# Altium PCB Sensor_ExpandBoard_V1.1.PcbDoc
Units mil, origin at the board's own origin, x right, y up, seen from the top; angles counter-clockwise.
Board outline 2362.2 x 1574.8 mil, 2 copper layers (Top Layer, Bottom Layer); 163 components, 51 nets, 554 pads, 184 vias.
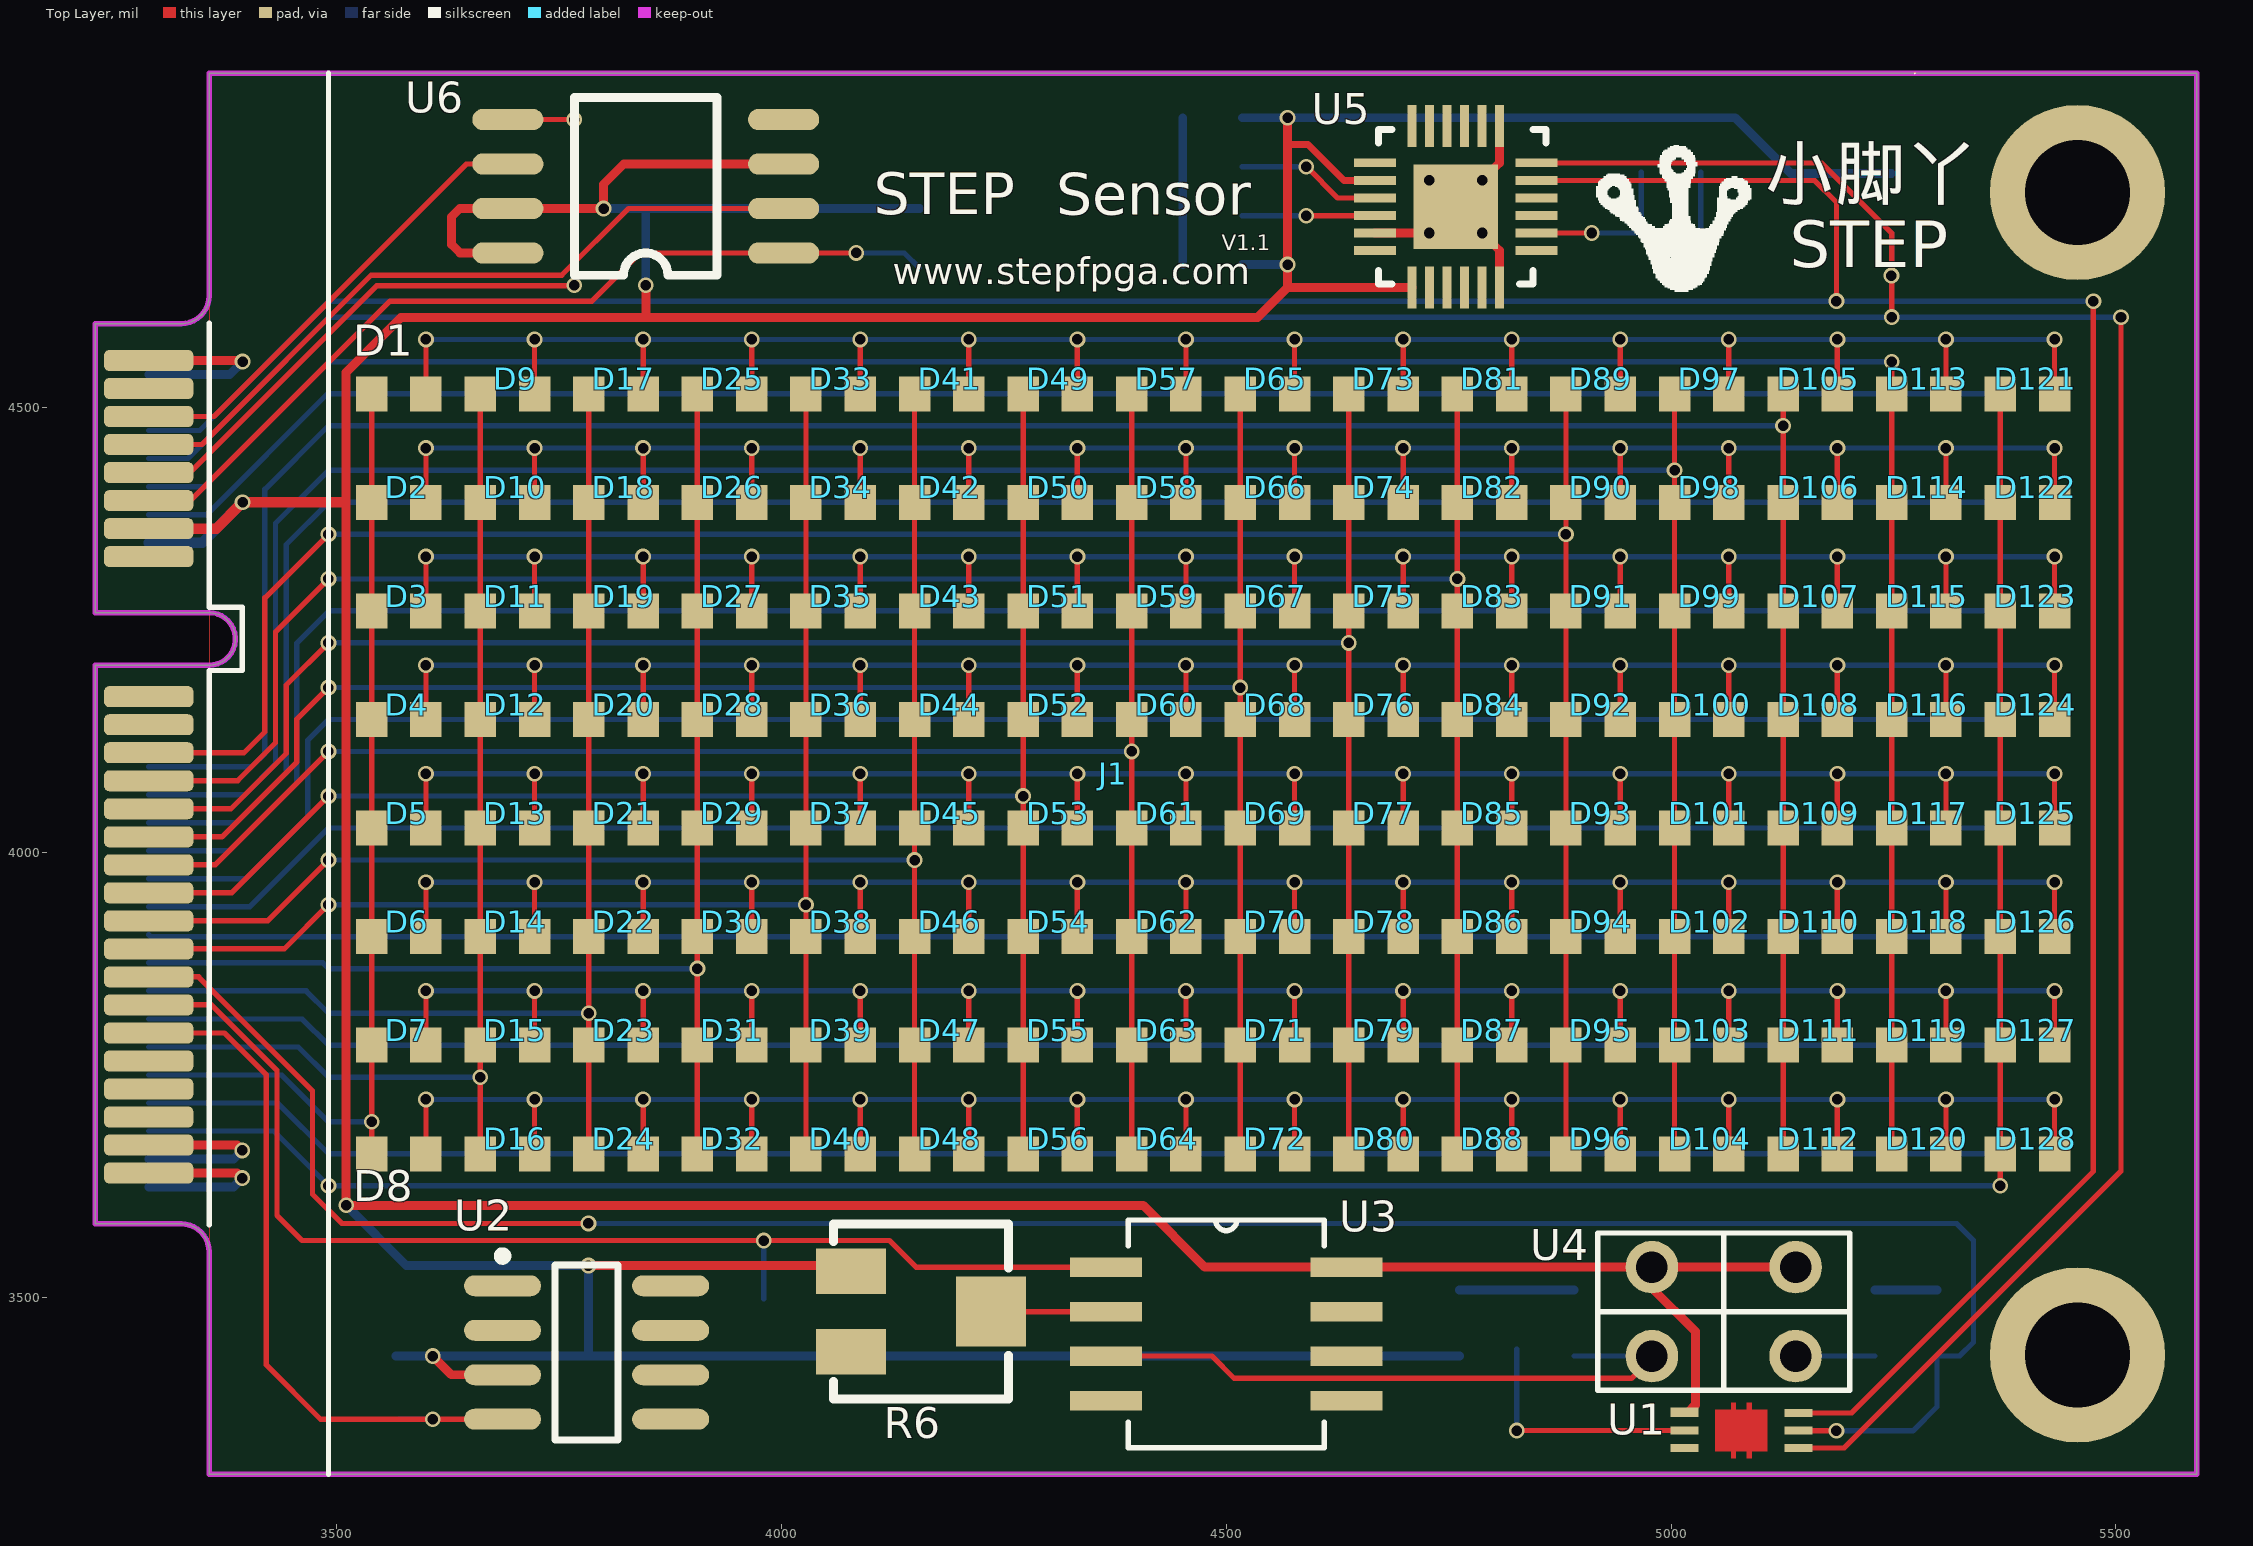
[diagram p0: Top Layer view]
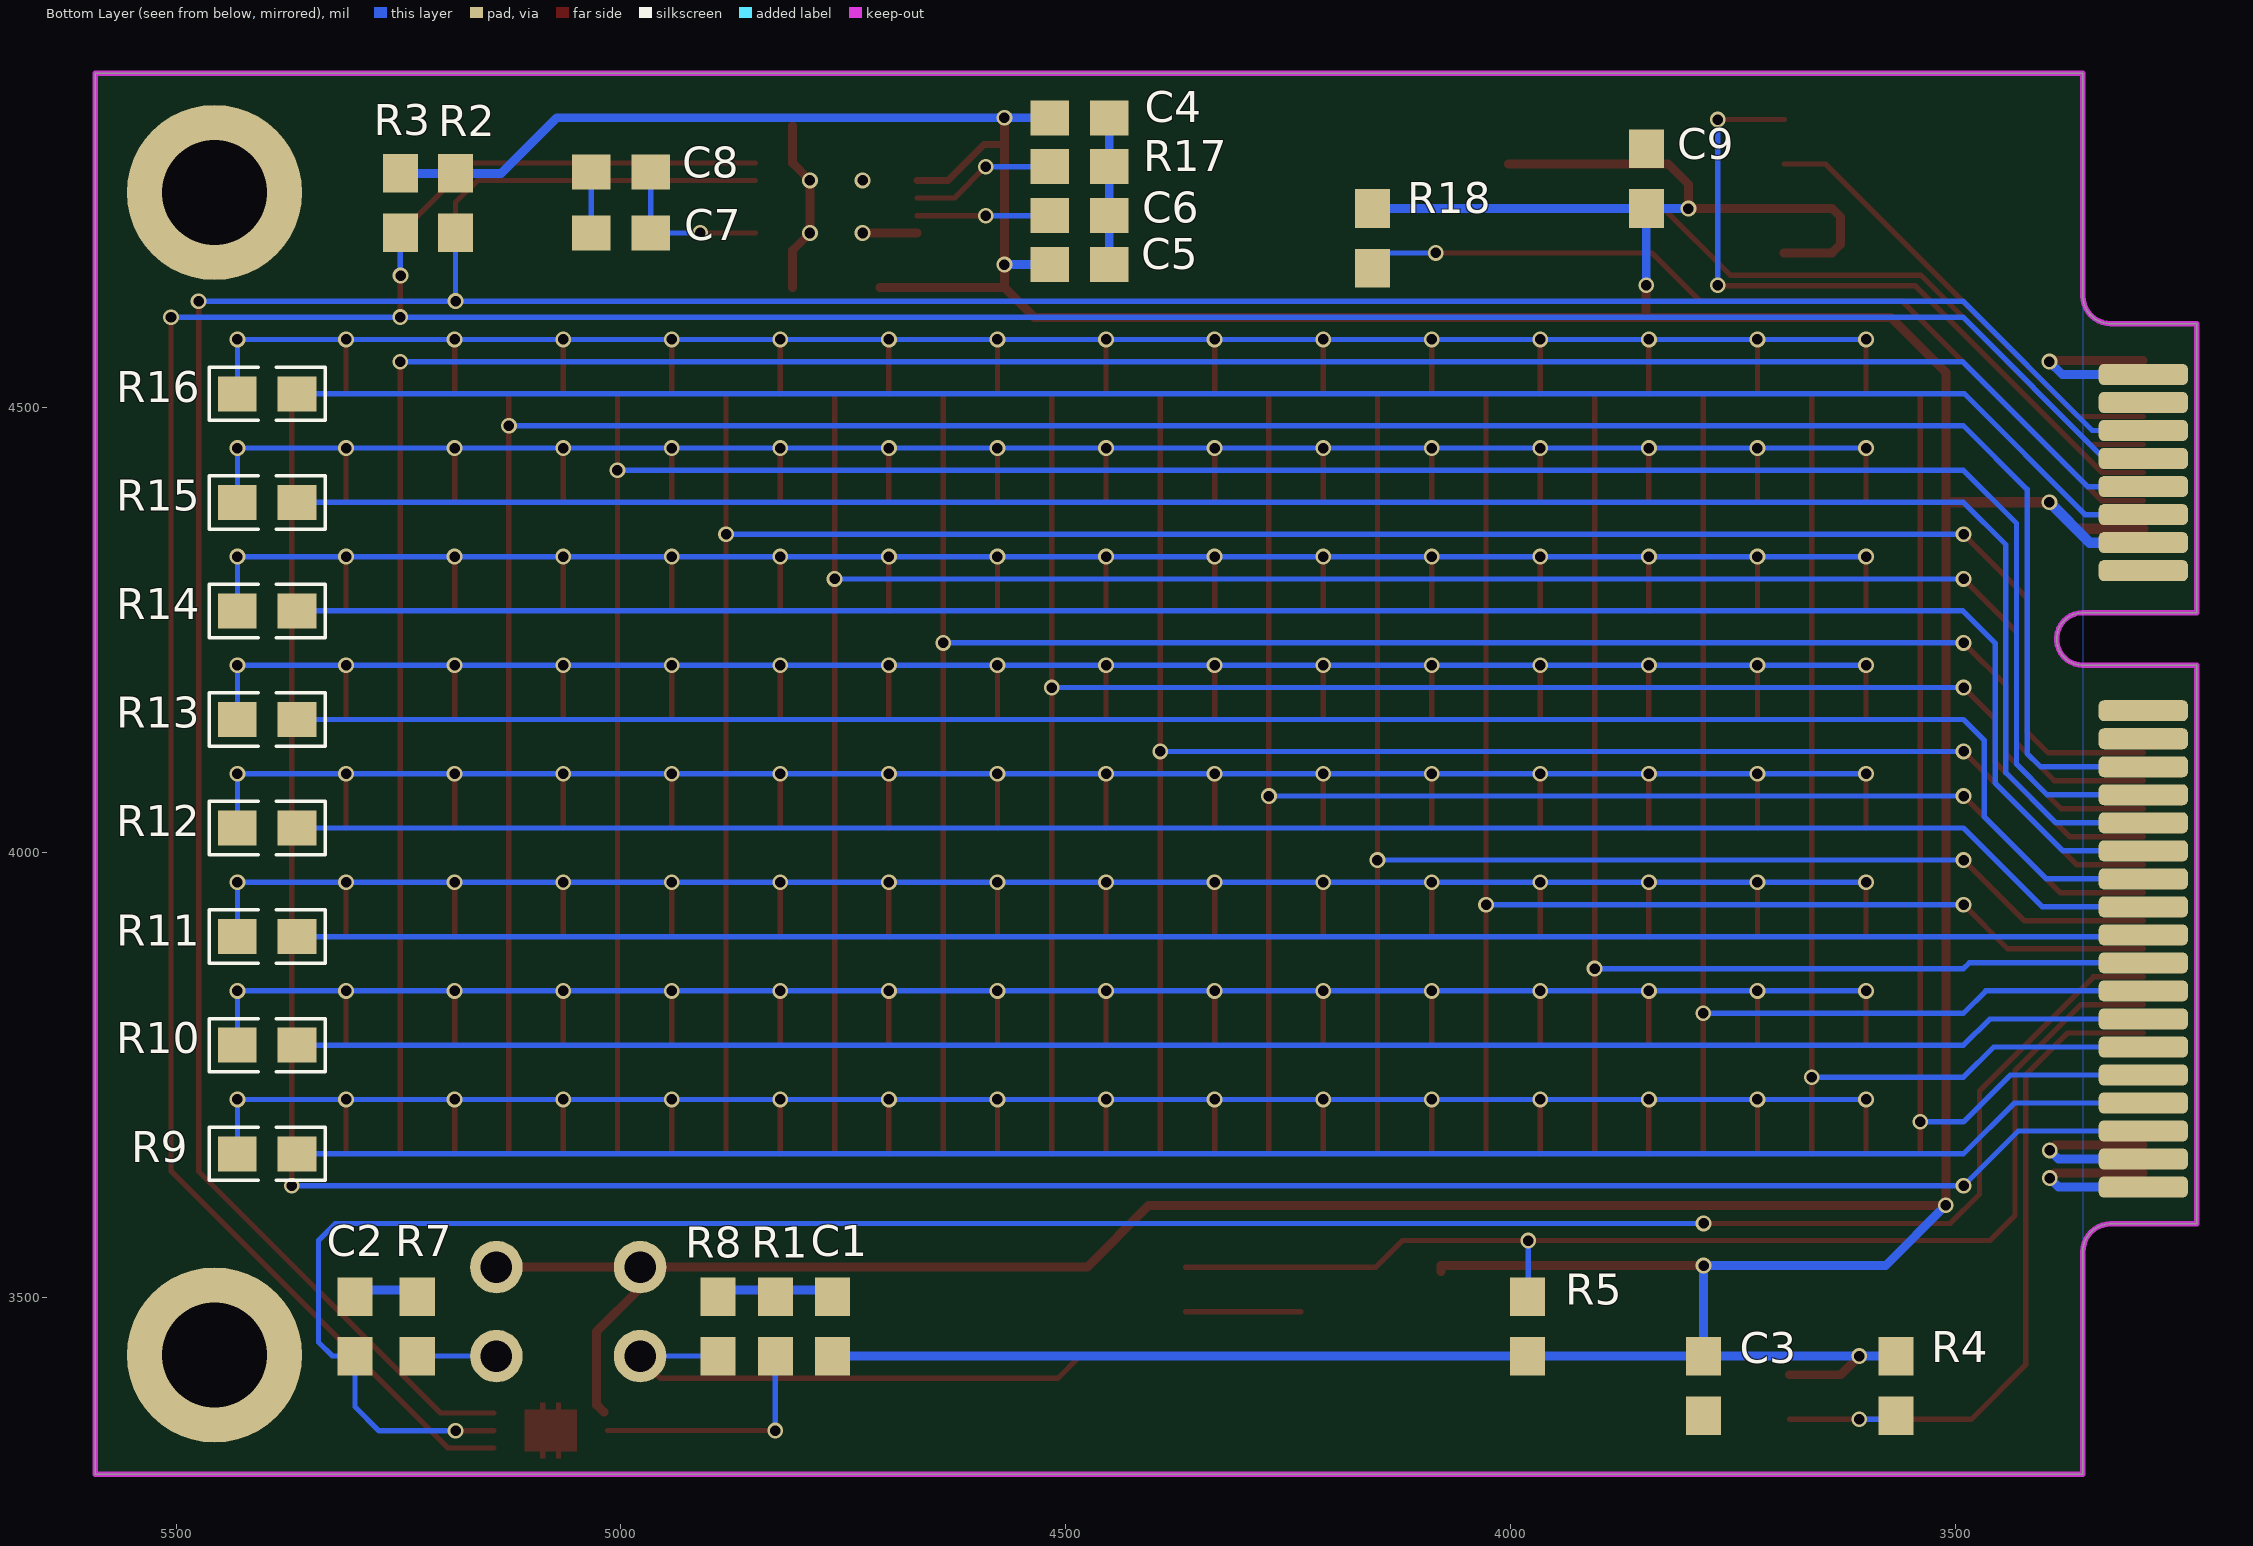
[diagram p1: Bottom Layer view, seen from below]

## Layer stack, top to bottom
Top Solder: solder mask 0.4, Solder Resist, Dk 3.5
Top Layer: signal copper 1.4
Dielectric 1: dielectric 12.6, FR-4, Dk 4.8
Bottom Layer: signal copper 1.4
Bottom Solder: solder mask 0.4, Solder Resist, Dk 3.5

## Board outline
3228.7,3582.68 3228.7,4210.63 3356.65,4210.63 ccw(c3356.65,4240.16) 3356.65,4269.69 3228.7,4269.69 3228.7,4594.49 3325.16,4594.49 ccw(c3325.16,4625.98) 3356.65,4625.98 3356.65,4875.98 5590.91,4875.98 5590.91,3301.18 3356.65,3301.18 3356.65,3551.18 ccw(c3325.16,3551.18) 3325.16,3582.68

## Design rules (kind name [scope] priority, off if disabled: settings)
Clearance [All] p1: gap=6
ComponentClearance [All] p1: gap=0 collisioncheckmode=3 verticalgap=0 showdistances=FALSE
HoleSize [All] p1: absolutevalues=TRUE maxlimit=200 minlimit=1 maxpercent=80.000 minpercent=20.000
HoleToHoleClearance [All] p1: gap=6 allowstackedmicrovias=TRUE
MinimumSolderMaskSliver [All] p1: minsoldermaskwidth=6
NetAntennae [All] p1: netantennaetolerance=10
PolygonConnect [All] p1: connectstyle=Relief reliefconductorwidth=10 reliefentries=4 polygonreliefangle="90 Angle" airgapwidth=10
RoutingVias [All] p1: holewidth=28 width=50 viastyle="Through Hole" minholewidth=28 minwidth=50 maxholewidth=28 maxwidth=50
SilkToSilkClearance [All] p1: silktosilkclearance=6
SilkToSolderMaskClearance [IsPad] p1: minsilkscreentomaskgap=6 clearancetoexposedcopper=TRUE
SolderMaskExpansion [All] p1: expansion=4
Width [All] p1: maxlimit=12 minlimit=6 preferedwidth=8
23 further rules are at their usual default settings.

## Classes and differential pairs
component class Sensor_ExpandBoard_W25Q64: C9 R18 U6
component class Sensor_ExpandBoard_MPU6050: C4 C5 C6 C7 C8 R17 U5
component class Sensor_ExpandBoard_LED: D1 D2 D3 D4 D5 D6 D7 D8 D9 D10 D11 D12 D13 D14 D15 D16 D17 D18 D19 D20 D21 D22 D23 D24 D25 D26 D27 D28 D29 D30 D31 D32 D33 D34 D35 D36 D37 D38 D39 D40 D41 D42 D43 D44 D45 D46 D47 D48 D49 D50 D51 D52 D53 D54 D55 D56 D57 D58 D59 D60 D61 D62 D63 D64 D65 D66 D67 D68 D69 D70 D71 D72 D73 D74 D75 D76 D77 D78 D79 D80 D81 D82 D83 D84 D85 D86 D87 D88 D89 D90 D91 D92 D93 D94 D95 D96 D97 D98 D99 D100 D101 D102 D103 D104 D105 D106 D107 D108 D109 D110 D111 D112 D113 D114 D115 D116 D117 D118 D119 D120 D121 D122 D123 D124 D125 D126 D127 D128 R9 R10 R11 R12 R13 R14 R15 R16
component class Sensor_ExpandBoard_IR: R5 R6 R7 R8 U3 U4
component class Sensor_ExpandBoard_DS18B20: C3 R4 U2
component class Sensor_ExpandBoard_Connection: J1 R2 R3
component class Sensor_ExpandBoard_BH1750FV: C1 C2 R1 U1

## Components (designator, comment, footprint, x,y, rotation, side; value= is the part's Value field where it differs from the comment)
C1 "Cap" 0603-2 4762,3467.46 r90 bottom
C2 "Cap" 0603-2 5299,3467.46 r90 bottom
C3 "Cap" 0603-2 3783,3400.54 r90 bottom
C4 "Cap" 0603-2 4484.54,4826 r180 bottom
C5 "Cap" 0603-2 4484.54,4661 r180 bottom
C6 "Cap" 0603-2 4484.54,4716.16 r180 bottom
C7 "Cap" 0603-2 5000,4696.47 r0 bottom
C8 "Cap" 0603-2 5000,4765 r180 bottom
C9 "Cap" 0603-2 3847.44,4757.48 r90 bottom
D1 "LED0" LED_0603_SMALL 3568.9,4515.75 r0 top
D2 "LED0" LED_0603_SMALL 3568.9,4393.7 r0 top
D3 "LED0" LED_0603_SMALL 3568.9,4271.65 r0 top
D4 "LED0" LED_0603_SMALL 3568.9,4149.61 r0 top
D5 "LED0" LED_0603_SMALL 3568.9,4027.56 r0 top
D6 "LED0" LED_0603_SMALL 3568.9,3905.51 r0 top
D7 "LED0" LED_0603_SMALL 3568.9,3783.46 r0 top
D8 "LED0" LED_0603_SMALL 3568.9,3661.42 r0 top
D9 "LED0" LED_0603_SMALL 3690.95,4515.75 r0 top
D10 "LED0" LED_0603_SMALL 3690.95,4393.7 r0 top
D11 "LED0" LED_0603_SMALL 3690.95,4271.65 r0 top
D12 "LED0" LED_0603_SMALL 3690.95,4149.61 r0 top
D13 "LED0" LED_0603_SMALL 3690.95,4027.56 r0 top
D14 "LED0" LED_0603_SMALL 3690.95,3905.51 r0 top
D15 "LED0" LED_0603_SMALL 3690.95,3783.46 r0 top
D16 "LED0" LED_0603_SMALL 3690.95,3661.42 r0 top
D17 "LED0" LED_0603_SMALL 3812.99,4515.75 r0 top
D18 "LED0" LED_0603_SMALL 3812.99,4393.7 r0 top
D19 "LED0" LED_0603_SMALL 3812.99,4271.65 r0 top
D20 "LED0" LED_0603_SMALL 3812.99,4149.61 r0 top
D21 "LED0" LED_0603_SMALL 3812.99,4027.56 r0 top
D22 "LED0" LED_0603_SMALL 3812.99,3905.51 r0 top
D23 "LED0" LED_0603_SMALL 3812.99,3783.46 r0 top
D24 "LED0" LED_0603_SMALL 3812.99,3661.42 r0 top
D25 "LED0" LED_0603_SMALL 3935.04,4515.75 r0 top
D26 "LED0" LED_0603_SMALL 3935.04,4393.7 r0 top
D27 "LED0" LED_0603_SMALL 3935.04,4271.65 r0 top
D28 "LED0" LED_0603_SMALL 3935.04,4149.61 r0 top
D29 "LED0" LED_0603_SMALL 3935.04,4027.56 r0 top
D30 "LED0" LED_0603_SMALL 3935.04,3905.51 r0 top
D31 "LED0" LED_0603_SMALL 3935.04,3783.46 r0 top
D32 "LED0" LED_0603_SMALL 3935.04,3661.42 r0 top
D33 "LED0" LED_0603_SMALL 4057.09,4515.75 r0 top
D34 "LED0" LED_0603_SMALL 4057.09,4393.7 r0 top
D35 "LED0" LED_0603_SMALL 4057.09,4271.65 r0 top
D36 "LED0" LED_0603_SMALL 4057.09,4149.61 r0 top
D37 "LED0" LED_0603_SMALL 4057.09,4027.56 r0 top
D38 "LED0" LED_0603_SMALL 4057.09,3905.51 r0 top
D39 "LED0" LED_0603_SMALL 4057.09,3783.46 r0 top
D40 "LED0" LED_0603_SMALL 4057.09,3661.42 r0 top
D41 "LED0" LED_0603_SMALL 4179.13,4515.75 r0 top
D42 "LED0" LED_0603_SMALL 4179.13,4393.7 r0 top
D43 "LED0" LED_0603_SMALL 4179.13,4271.65 r0 top
D44 "LED0" LED_0603_SMALL 4179.13,4149.61 r0 top
D45 "LED0" LED_0603_SMALL 4179.13,4027.56 r0 top
D46 "LED0" LED_0603_SMALL 4179.13,3905.51 r0 top
D47 "LED0" LED_0603_SMALL 4179.13,3783.46 r0 top
D48 "LED0" LED_0603_SMALL 4179.13,3661.42 r0 top
D49 "LED0" LED_0603_SMALL 4301.18,4515.75 r0 top
D50 "LED0" LED_0603_SMALL 4301.18,4393.7 r0 top
D51 "LED0" LED_0603_SMALL 4301.18,4271.65 r0 top
D52 "LED0" LED_0603_SMALL 4301.18,4149.61 r0 top
D53 "LED0" LED_0603_SMALL 4301.18,4027.56 r0 top
D54 "LED0" LED_0603_SMALL 4301.18,3905.51 r0 top
D55 "LED0" LED_0603_SMALL 4301.18,3783.46 r0 top
D56 "LED0" LED_0603_SMALL 4301.18,3661.42 r0 top
D57 "LED0" LED_0603_SMALL 4423.23,4515.75 r0 top
D58 "LED0" LED_0603_SMALL 4423.23,4393.7 r0 top
D59 "LED0" LED_0603_SMALL 4423.23,4271.65 r0 top
D60 "LED0" LED_0603_SMALL 4423.23,4149.61 r0 top
D61 "LED0" LED_0603_SMALL 4423.23,4027.56 r0 top
D62 "LED0" LED_0603_SMALL 4423.23,3905.51 r0 top
D63 "LED0" LED_0603_SMALL 4423.23,3783.46 r0 top
D64 "LED0" LED_0603_SMALL 4423.23,3661.42 r0 top
D65 "LED0" LED_0603_SMALL 4545.28,4515.75 r0 top
D66 "LED0" LED_0603_SMALL 4545.28,4393.7 r0 top
D67 "LED0" LED_0603_SMALL 4545.28,4271.65 r0 top
D68 "LED0" LED_0603_SMALL 4545.28,4149.61 r0 top
D69 "LED0" LED_0603_SMALL 4545.28,4027.56 r0 top
D70 "LED0" LED_0603_SMALL 4545.28,3905.51 r0 top
D71 "LED0" LED_0603_SMALL 4545.28,3783.46 r0 top
D72 "LED0" LED_0603_SMALL 4545.28,3661.42 r0 top
D73 "LED0" LED_0603_SMALL 4667.32,4515.75 r0 top
D74 "LED0" LED_0603_SMALL 4667.32,4393.7 r0 top
D75 "LED0" LED_0603_SMALL 4667.32,4271.65 r0 top
D76 "LED0" LED_0603_SMALL 4667.32,4149.61 r0 top
D77 "LED0" LED_0603_SMALL 4667.32,4027.56 r0 top
D78 "LED0" LED_0603_SMALL 4667.32,3905.51 r0 top
D79 "LED0" LED_0603_SMALL 4667.32,3783.46 r0 top
D80 "LED0" LED_0603_SMALL 4667.32,3661.42 r0 top
D81 "LED0" LED_0603_SMALL 4789.37,4515.75 r0 top
D82 "LED0" LED_0603_SMALL 4789.37,4393.7 r0 top
D83 "LED0" LED_0603_SMALL 4789.37,4271.65 r0 top
D84 "LED0" LED_0603_SMALL 4789.37,4149.61 r0 top
D85 "LED0" LED_0603_SMALL 4789.37,4027.56 r0 top
D86 "LED0" LED_0603_SMALL 4789.37,3905.51 r0 top
D87 "LED0" LED_0603_SMALL 4789.37,3783.46 r0 top
D88 "LED0" LED_0603_SMALL 4789.37,3661.42 r0 top
D89 "LED0" LED_0603_SMALL 4911.42,4515.75 r0 top
D90 "LED0" LED_0603_SMALL 4911.42,4393.7 r0 top
D91 "LED0" LED_0603_SMALL 4911.42,4271.65 r0 top
D92 "LED0" LED_0603_SMALL 4911.42,4149.61 r0 top
D93 "LED0" LED_0603_SMALL 4911.42,4027.56 r0 top
D94 "LED0" LED_0603_SMALL 4911.42,3905.51 r0 top
D95 "LED0" LED_0603_SMALL 4911.42,3783.46 r0 top
D96 "LED0" LED_0603_SMALL 4911.42,3661.42 r0 top
D97 "LED0" LED_0603_SMALL 5033.46,4515.75 r0 top
D98 "LED0" LED_0603_SMALL 5033.46,4393.7 r0 top
D99 "LED0" LED_0603_SMALL 5033.46,4271.65 r0 top
D100 "LED0" LED_0603_SMALL 5033.46,4149.61 r0 top
D101 "LED0" LED_0603_SMALL 5033.46,4027.56 r0 top
D102 "LED0" LED_0603_SMALL 5033.46,3905.51 r0 top
D103 "LED0" LED_0603_SMALL 5033.46,3783.46 r0 top
D104 "LED0" LED_0603_SMALL 5033.46,3661.42 r0 top
D105 "LED0" LED_0603_SMALL 5155.51,4515.75 r0 top
D106 "LED0" LED_0603_SMALL 5155.51,4393.7 r0 top
D107 "LED0" LED_0603_SMALL 5155.51,4271.65 r0 top
D108 "LED0" LED_0603_SMALL 5155.51,4149.61 r0 top
D109 "LED0" LED_0603_SMALL 5155.51,4027.56 r0 top
D110 "LED0" LED_0603_SMALL 5155.51,3905.51 r0 top
D111 "LED0" LED_0603_SMALL 5155.51,3783.46 r0 top
D112 "LED0" LED_0603_SMALL 5155.51,3661.42 r0 top
D113 "LED0" LED_0603_SMALL 5277.56,4515.75 r0 top
D114 "LED0" LED_0603_SMALL 5277.56,4393.7 r0 top
D115 "LED0" LED_0603_SMALL 5277.56,4271.65 r0 top
D116 "LED0" LED_0603_SMALL 5277.56,4149.61 r0 top
D117 "LED0" LED_0603_SMALL 5277.56,4027.56 r0 top
D118 "LED0" LED_0603_SMALL 5277.56,3905.51 r0 top
D119 "LED0" LED_0603_SMALL 5277.56,3783.46 r0 top
D120 "LED0" LED_0603_SMALL 5277.56,3661.42 r0 top
D121 "LED0" LED_0603_SMALL 5399.61,4515.75 r0 top
D122 "LED0" LED_0603_SMALL 5399.61,4393.7 r0 top
D123 "LED0" LED_0603_SMALL 5399.61,4271.65 r0 top
D124 "LED0" LED_0603_SMALL 5399.61,4149.61 r0 top
D125 "LED0" LED_0603_SMALL 5399.61,4027.56 r0 top
D126 "LED0" LED_0603_SMALL 5399.61,3905.51 r0 top
D127 "LED0" LED_0603_SMALL 5399.61,3783.46 r0 top
D128 "LED0" LED_0603_SMALL 5399.61,3661.42 r0 top
J1 "mSATA" MSATA 3288.74,4553.15 r0 top
R1 "Res1" 0603-2 4826.5,3467.46 r270 bottom
R2 "Res1" 0603-2 5186,4730 r90 bottom
R3 "Res1" 0603-2 5248,4730 r90 bottom
R4 "Res1" 0603-2 3566.84,3400.54 r90 bottom
R5 "Res1" 0603-2 3981,3467.46 r270 bottom
R6 "RPot SM" POT4MM-2 4157,3484 r0 top
R7 "Res1" 0603-2 5229,3467.46 r270 bottom
R8 "Res1" 0603-2 4891,3467.46 r270 bottom
R9 "Res1" 0603-1 5397.64,3661.42 r0 bottom
R10 "Res1" 0603-1 5397.64,3783.46 r0 bottom
R11 "Res1" 0603-1 5397.64,3905.51 r0 bottom
R12 "Res1" 0603-1 5397.64,4027.56 r0 bottom
R13 "Res1" 0603-1 5397.64,4149.61 r0 bottom
R14 "Res1" 0603-1 5397.64,4271.65 r0 bottom
R15 "Res1" 0603-1 5397.64,4393.7 r0 bottom
R16 "Res1" 0603-1 5397.64,4515.75 r0 bottom
R17 "Res1" 0603-2 4484.54,4771.08 r180 bottom
R18 "Res1" 0603-2 4155,4690.55 r90 bottom